# Altium PCB SEC_3002_DZ&HL - 副本.PcbDoc (part 1 of 2)
Units mm, origin at the board's own origin, x right, y up, seen from the top; angles counter-clockwise.
Board outline 200 x 170 mm, 2 copper layers (Top Layer, Bottom Layer); 589 components, 413 nets, 1696 pads, 0 vias.
Unrouted connection lines stored in the file: 1100.
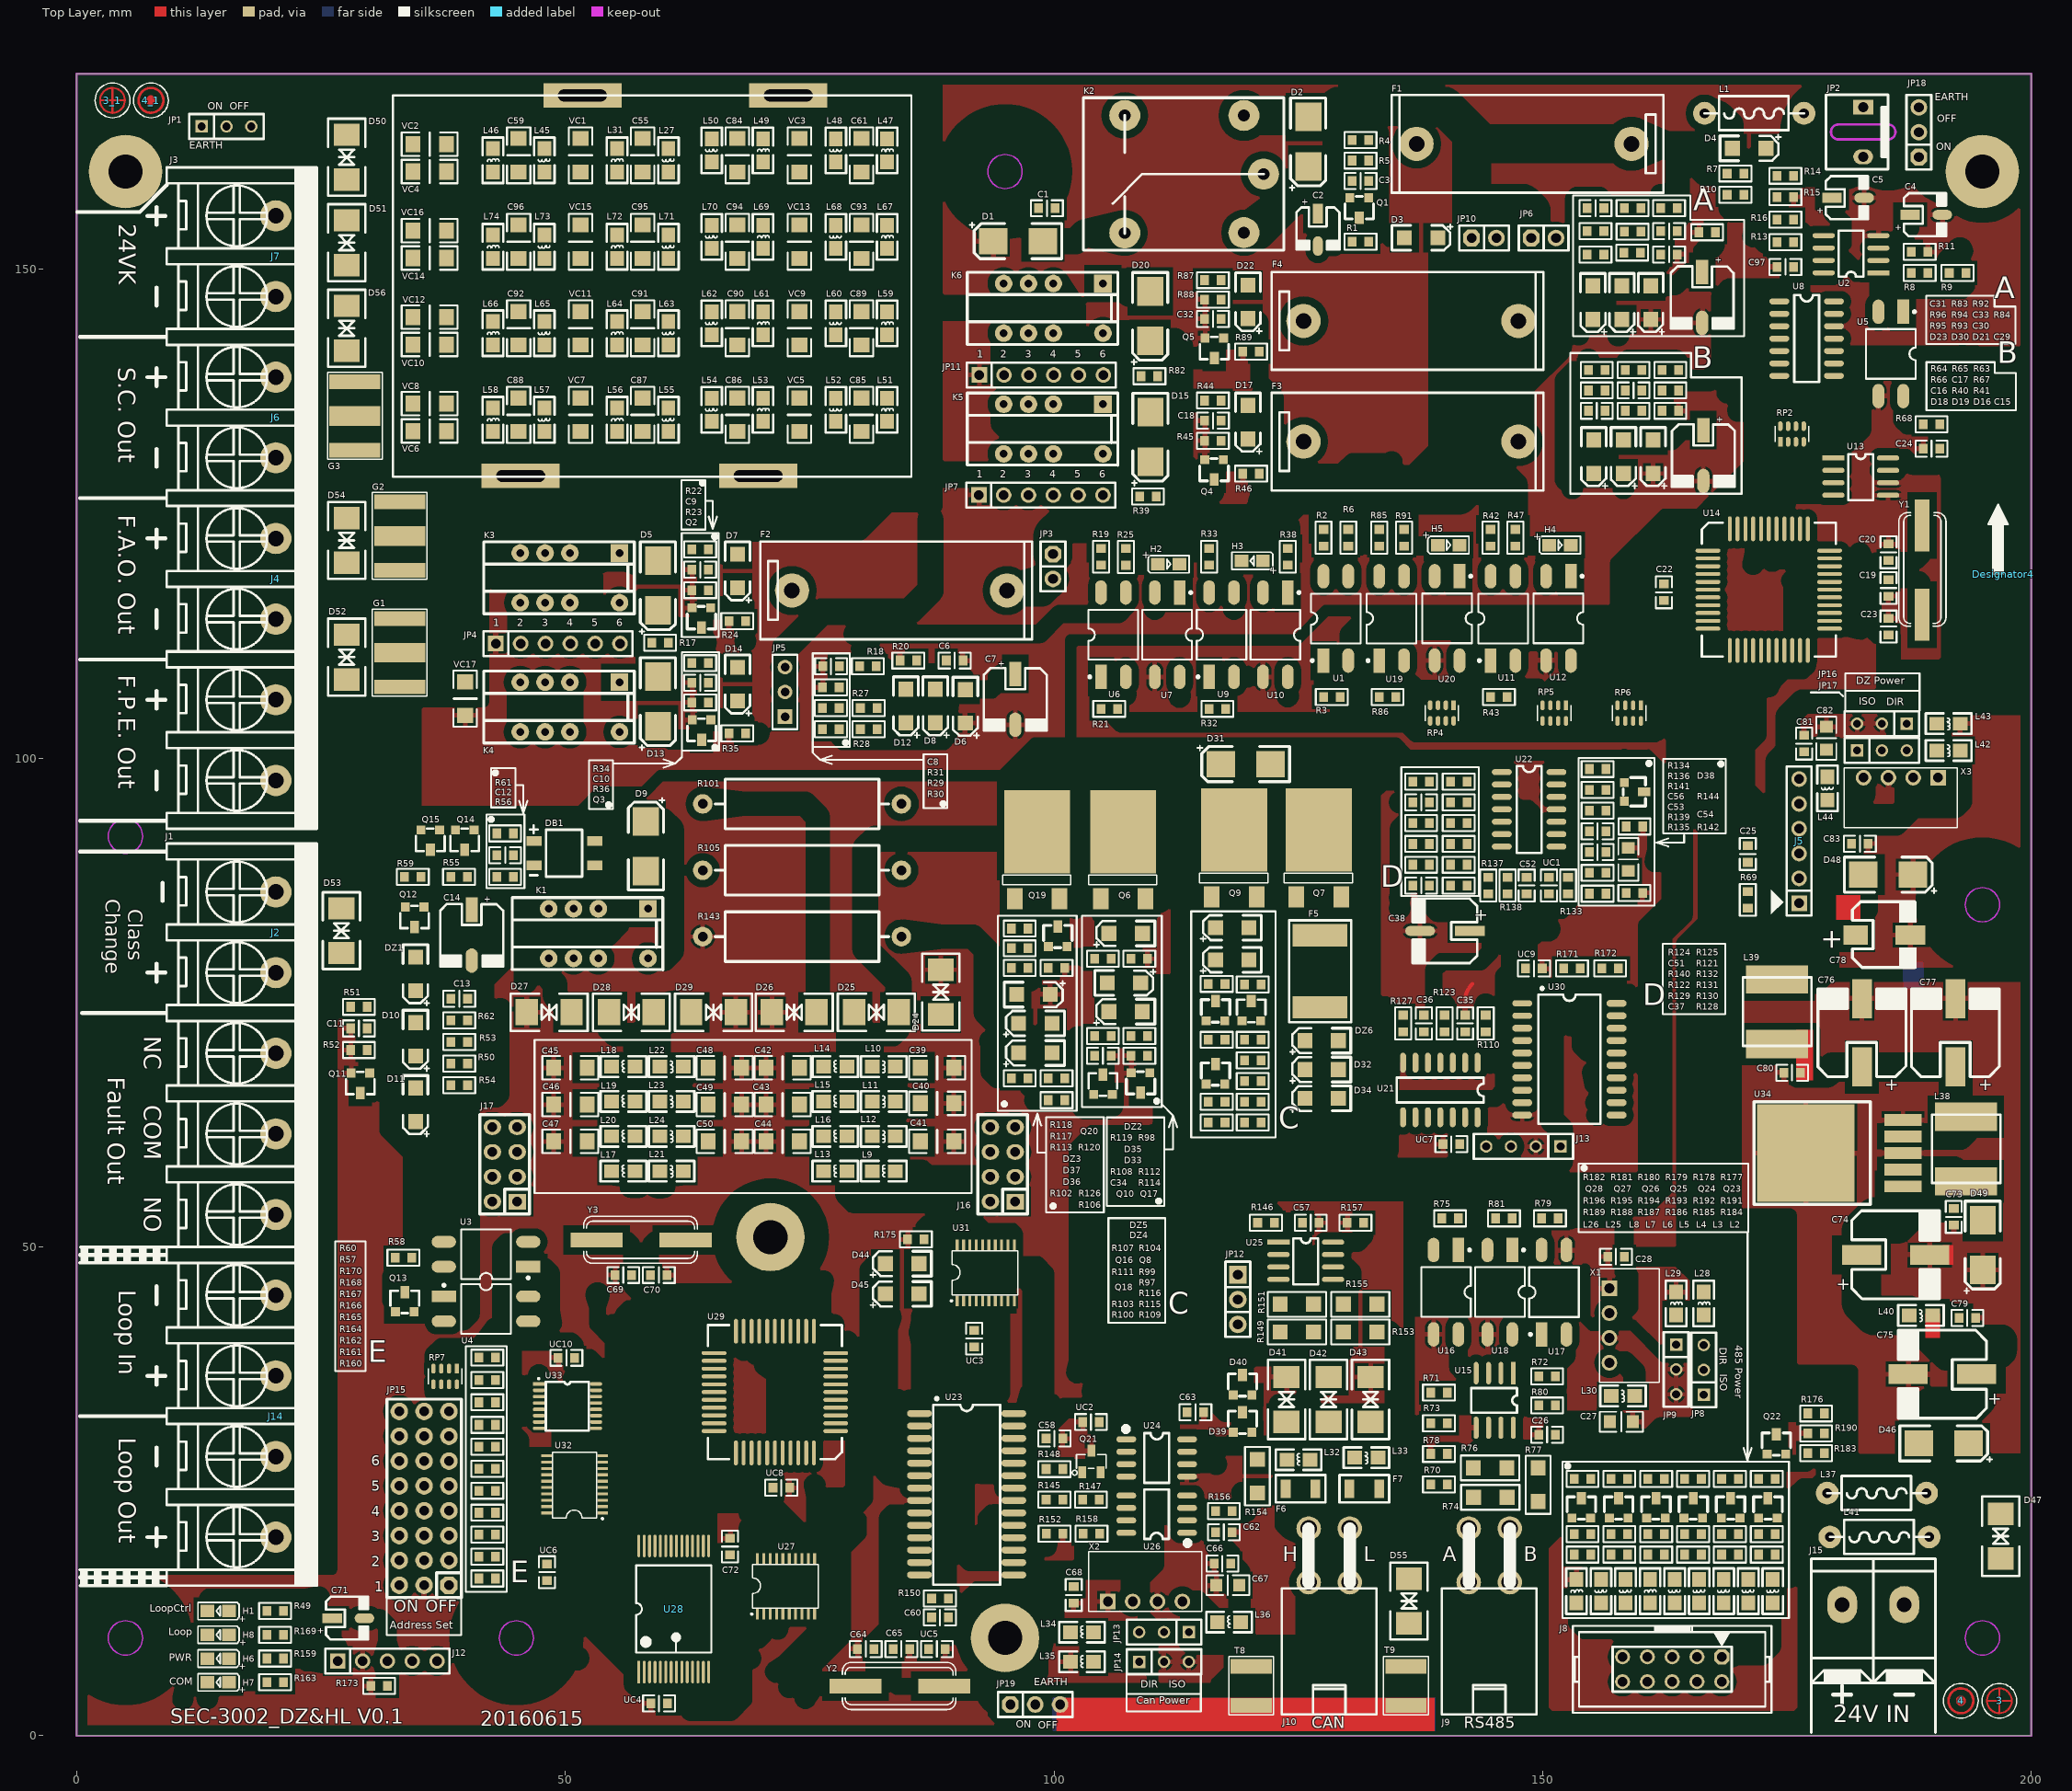
[diagram p0: Top Layer view]
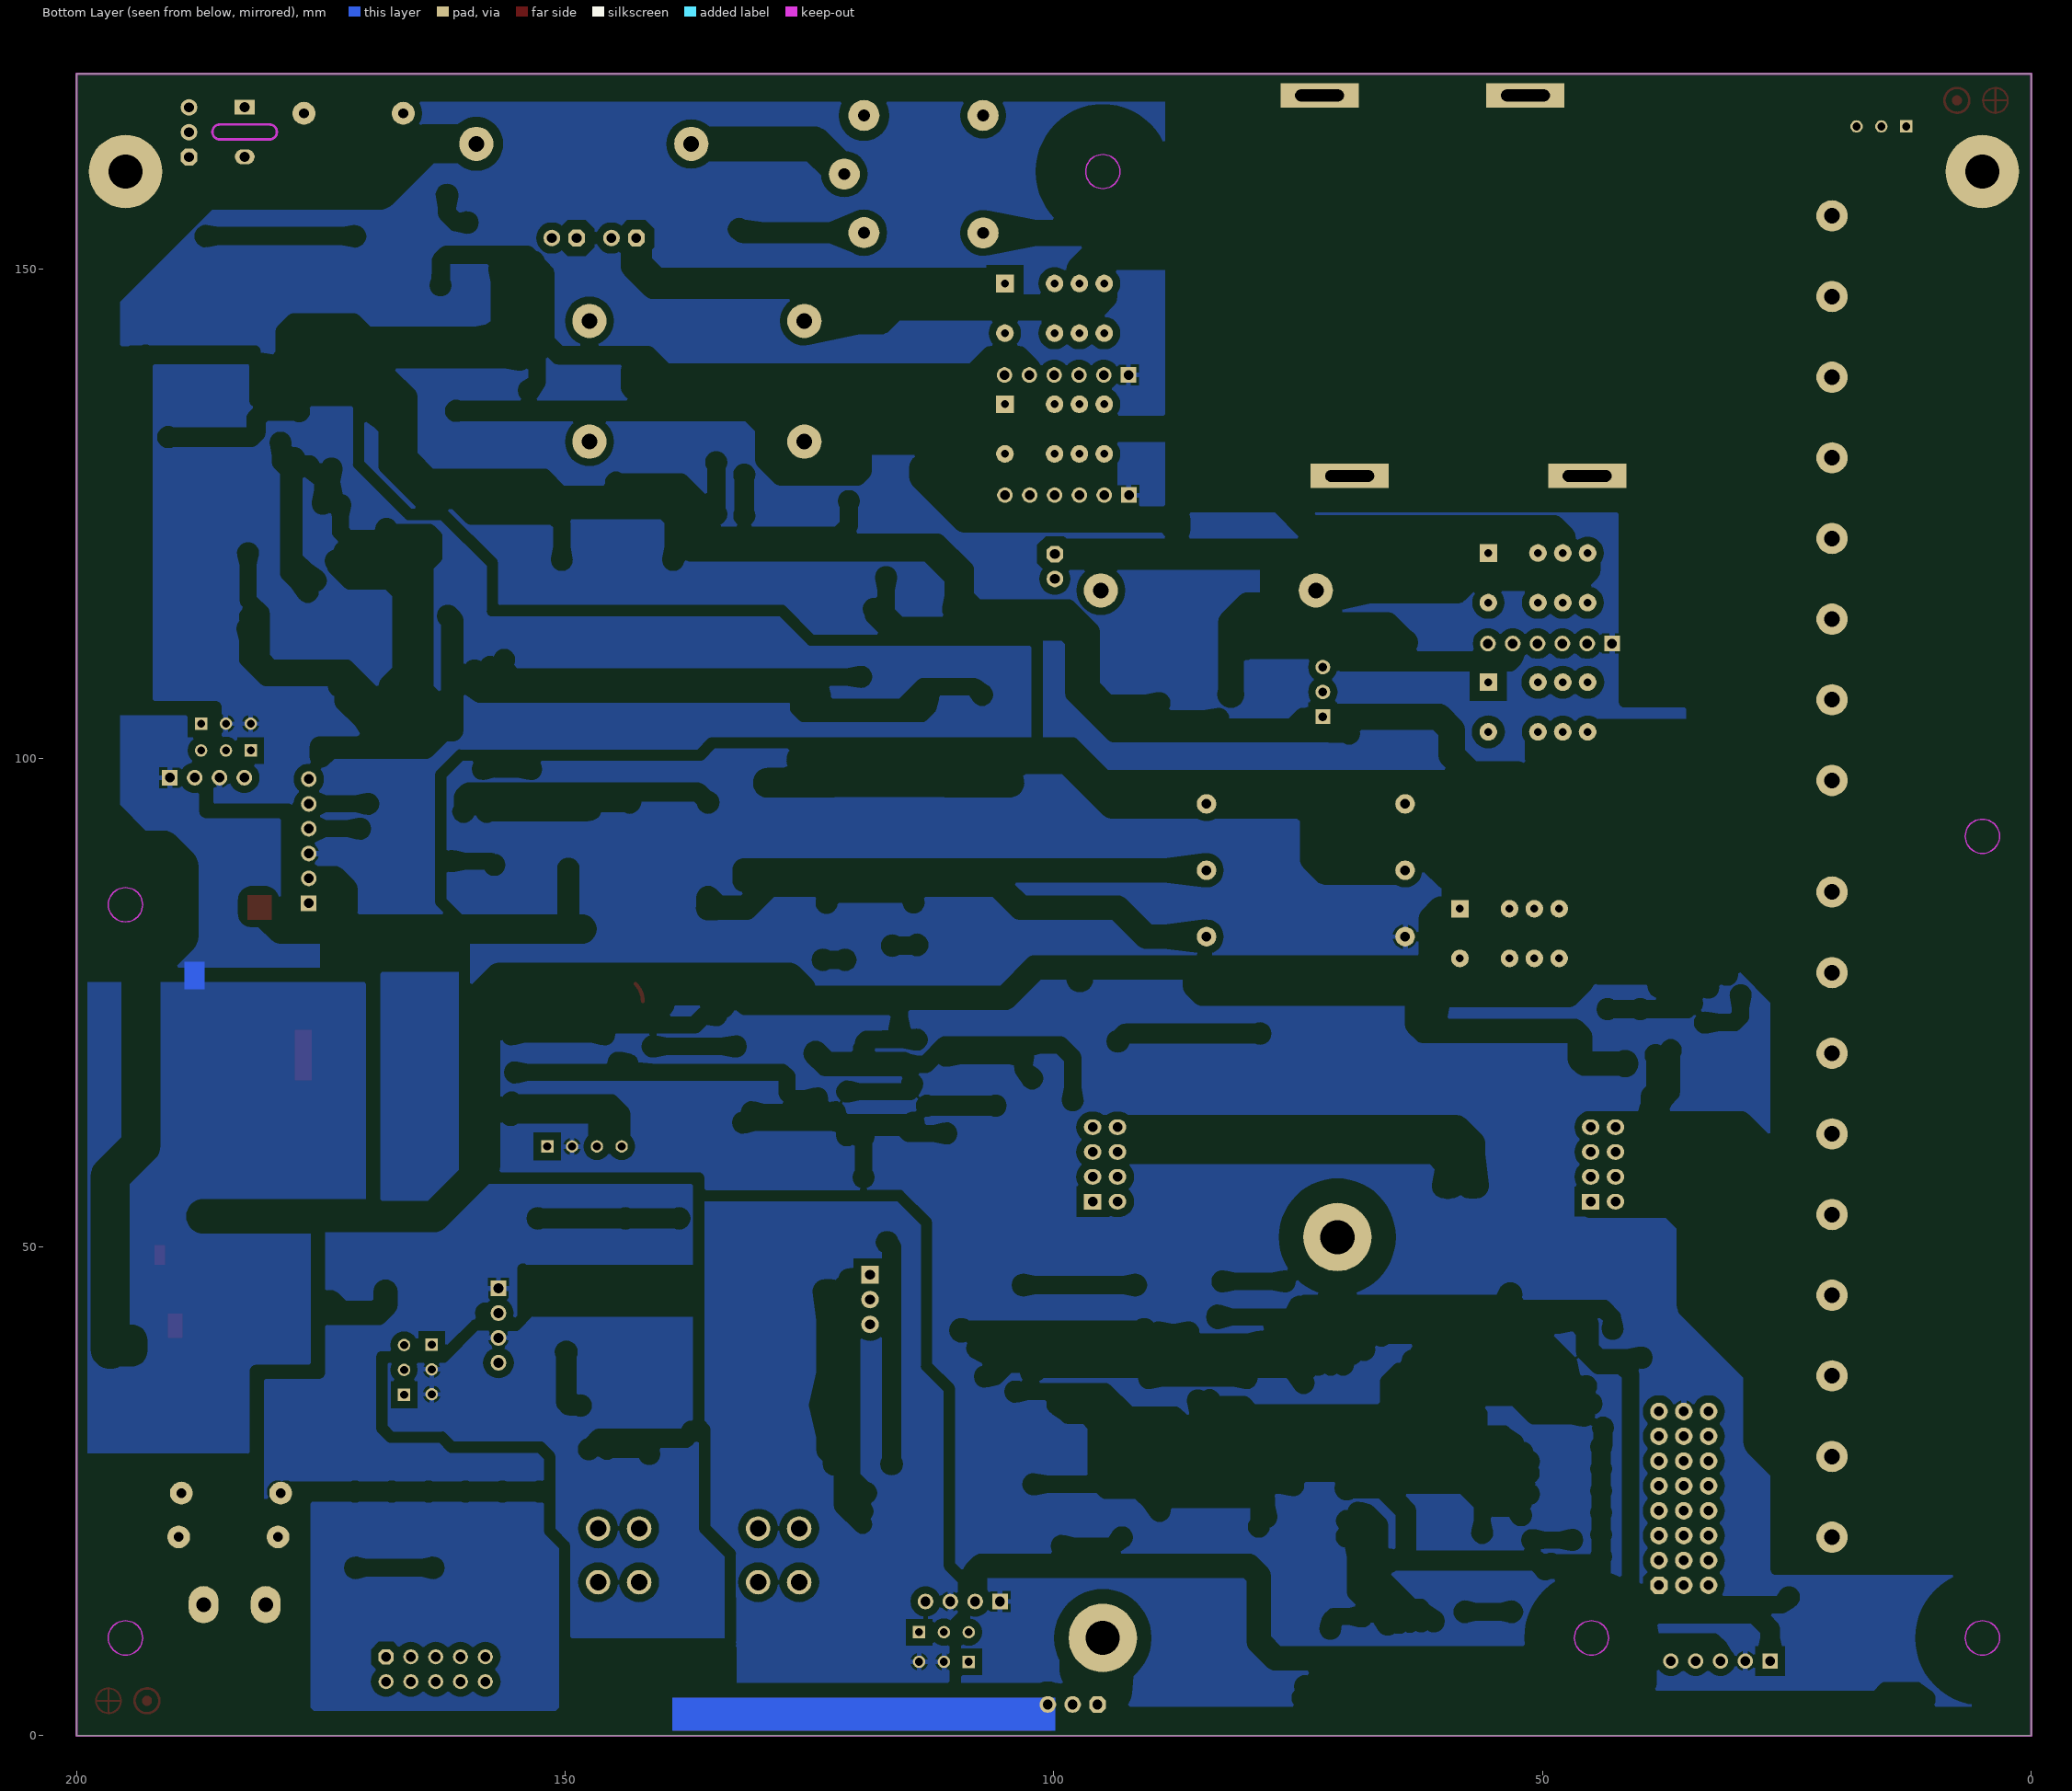
[diagram p1: Bottom Layer view, seen from below]

## Layer stack, top to bottom
Top Layer: signal copper 0.0356
Dielectric: core 0.32, FR-4, Dk 4.8
Bottom Layer: signal copper 0.0356

## Board outline
0,0 200,0 200,170 0,170

## Design rules (kind name [scope] priority, off if disabled: settings)
Clearance "EARTH to Keepout" [OnLayer('Keep-Out Layer') vs InNet('EATHER GND')] p1: gap=0.254
Clearance "Polygon to MSM110" [InPolygon vs HasFootprint('MSM110')] p2: gap=1.27
Clearance "24V to Polygon" [InNet('+24V')  or InNet('+24VOUT') vs InPolygon] p3: gap=1.016
Clearance "24V_IN to Polygon" [InNet('+24V_IN') vs InPolygon] p4: gap=1.016
Clearance "Polygon to EARTH_EXT" [InPolygon vs InNet('EARTH_EXT')] p5: gap=3.302
Clearance "Region to All" [(IsRegion AND InNet('GND'))] p6: gap=1.016
Clearance "Polygon to EARTH" [InPolygon vs InNet('EATHER GND') or InNet('EARTH_EXT') or InNet('EARTH_EXT1') or InNet('EARTH_EXT2')] p7: gap=1.5
Clearance "VCC to Arc And KeepOut" [(InPolygon AND OnLayer('Vcc And Signal Layer')) vs (IsArc AND OnLayer('Keep-Out Layer'))] p8: gap=1.27
Clearance "Polygon to Arc and KeepOut Layer" [InPolygon vs (IsArc AND OnLayer('Keep-Out Layer'))] p9: gap=5.08
Clearance "Polygon to Track and KeepOut Layer" [InPolygon vs (IsTrack AND OnLayer('Keep-Out Layer'))] p10: gap=1
Clearance "24V_IN to GND" [InNet('+24V_IN') vs InNet('GND')] p11: gap=0.508
Clearance "24V to GND" [InNet('+24V') vs InNet('GND')] p12: gap=0.508
Clearance "Polygon to All" [InPolygon] p13: gap=0.762
Clearance "U3 Pads" [IsPad  And    InComponent('U3') vs IsPad  And    InComponent('U3')] p14: gap=0.127
Clearance "JP1 to Via" [InComponent('JP1') vs IsVia] p15: gap=0.254
Clearance "Via to Via" [IsVia vs IsVia] p16: gap=0.254
Clearance "Component to Board Edge" [IsComponent vs (OnLayer('Keep-Out Layer'))] p17: gap=1
Clearance "Track to Board Edge" [IsTrack vs (OnLayer('Keep-Out Layer'))] p18: gap=1
Clearance "Via to Pad" [IsVia vs IsPad] p19: gap=0.381
Clearance "24V to All" [InNet('+24V')] p20: gap=0.381
Clearance [All] p21: gap=0.25
ComponentClearance [All] p1: gap=0 collisioncheckmode=3 verticalgap=0 showdistances=FALSE
FabricationTestpoint [(IsPad And (OnTopLayer Or OnBottomLayer))] p1: side=3 testpointundercomponent=TRUE minsize=1.016 maxsize=2.54 preferedsize=1.524 minholesize=0 maxholesize=1.016 preferedholesize=0.813 testpointgrid=0.025 allowsidetop=TRUE allowsidebottom=TRUE usegrid=TRUE gridtolerance=0
HoleSize [All] p1: absolutevalues=TRUE maxlimit=8 minlimit=0.305 maxpercent=80.000 minpercent=20.000
PlaneClearance [All] p1: clearance=0.762
PlaneConnect [All] p1: planeconnectstyle=Direct reliefexpansion=0.508 reliefentries=4 reliefconductorwidth=0.254 reliefairgap=0.254
PolygonConnect "Polygon  to Via" [IsVia] p1: connectstyle=Direct reliefconductorwidth=0.254 reliefentries=4 polygonreliefangle="90 Angle"
PolygonConnect [All] p2: connectstyle=Relief reliefconductorwidth=0.508 reliefentries=4 polygonreliefangle="90 Angle"
RoutingVias [All] p1: holewidth=0.406 width=0.762 viastyle="Through Hole" minholewidth=0.305 minwidth=0.457 maxholewidth=0.711 maxwidth=1.27
SilkscreenOverComponentPads SilkToSolderMaskClearance [IsPad] p1: minsilkscreentomaskgap=0.254
SolderMaskExpansion [All] p1: expansion=0.102
Width [All] p1: maxlimit=2.54 minlimit=0.203 preferedwidth=0.508 minimp=50.000000 maximp=50.000000 favimp=50.000000
22 further rules are at their usual default settings.

## Classes and differential pairs
component class SEC_3002_DZ_MCU: C19 C20 C22 C23 C24 C25 C26 C27 C28 D55 J3 J4 J5 J6 J7 J8 J9 JP8 JP9 L2 L3 L4 L5 L6 L7 L8 L25 L26 L28 L29 L30 Q22 Q23 Q24 Q25 Q26 Q27 Q28 R68 R69 R70 R71 R72 R73 R74 R75 R76 R77 R78 R79 R80 R81 R176 R177 R178 R179 R180 R181 R182 R183 R184 R185 R186 R187 R188 R189 R190 R191 R192 R193 R194 R195 R196 RP2 RP4 RP5 RP6 U13 U14 U15 U16 U17 U18 X1 Y1
component class SEC_3002_HL_LoopOpenCheck&Switch: C11 C12 C13 C14 C39 C40 C41 C42 C43 C44 C45 C46 C47 C48 C49 C50 D9 D10 D11 D24 D25 D26 D27 D28 D29 DB1 DZ1 H1 J14 J16 J17 JP1 JP18 JP19 K1 L9 L10 L11 L12 L13 L14 L15 L16 L17 L18 L19 L20 L21 L22 L23 L24 Q11 Q12 Q13 Q14 Q15 R49 R50 R51 R52 R53 R54 R55 R56 R57 R58 R59 R60 R61 R62 U3 U4 VC17
component class "SEC_3002_DZ_F.P.E Output": C6 C7 C8 C9 C85 C86 C87 C88 D5 D6 D7 D8 D12 D52 F2 G1 H2 JP3 JP4 K3 L51 L52 L53 L54 L55 L56 L57 L58 Q2 R17 R18 R19 R20 R21 R22 R23 R24 R25 R27 R28 R29 R30 R31 U6 U7 U8 VC5 VC6 VC7 VC8
component class "SEC_3002_DZ_24VK Output": C1 C2 C3 C55 C59 C61 C84 D1 D2 D3 D50 D51 F1 K2 L27 L31 L45 L46 L47 L48 L49 L50 Q1 R1 R2 R3 R4 R5 R6 U1 VC1 VC2 VC3 VC4
component class "SEC_3002_DZ_Eather Fault Check": C4 C5 C97 D4 JP2 L1 R7 R8 R9 R10 R11 R13 R14 R15 R16 U2 U5
component class "SEC_3002_DZ_Fault Output": C10 D13 D14 D53 H3 J1 J2 JP5 K4 Q3 R32 R33 R34 R35 R36 R38 U9 U10
component class "SEC_3002_DZ_Fire Alarm Output": C15 C16 C17 C18 C89 C90 C91 C92 D15 D16 D17 D18 D19 D54 F3 G2 H4 JP6 JP7 K5 L59 L60 L61 L62 L63 L64 L65 L66 Q4 R39 R40 R41 R42 R43 R44 R45 R46 R47 R63 R64 R65 R66 R67 U11 U12 VC9 VC10 VC11 VC12
component class SEC_3002_DZ_S.C.Output: C29 C30 C31 C32 C33 C93 C94 C95 C96 D20 D21 D22 D23 D30 D56 F4 G3 H5 JP10 JP11 K6 L67 L68 L69 L70 L71 L72 L73 L74 Q5 R82 R83 R84 R85 R86 R87 R88 R89 R91 R92 R93 R94 R95 R96 U19 U20 VC13 VC14 VC15 VC16
component class SEC_3002_HL_Loop1: C34 C35 C36 C37 C38 C51 C52 C53 C54 C56 D31 D32 D33 D34 D35 D36 D37 D38 DZ2 DZ3 DZ4 DZ5 DZ6 F5 Q6 Q7 Q8 Q9 Q10 Q16 Q17 Q18 Q19 Q20 R97 R98 R99 R100 R101 R102 R103 R104 R105 R106 R107 R108 R109 R110 R111 R112 R113 R114 R115 R116 R117 R118 R119 R120 R121 R122 R123 R124 R125 R126 R127 R128 R129 R130 R131 R132 R133 R134 R135 R136 R137 R138 R139 R140 R141 R142 R143 R144 U21 U22
component class SEC_3002_HL_MAIN: C57 C58 C60 C62 C63 C64 C65 C66 C67 C68 C69 C70 C71 C72 D39 D40 D41 D42 D43 D44 D45 F6 F7 H6 H7 H8 J10 J12 J13 JP12 JP13 JP14 JP15 L32 L33 L34 L35 L36 Q21 R145 R146 R147 R148 R149 R150 R151 R152 R153 R154 R155 R156 R157 R158 R159 R160 R161 R162 R163 R164 R165 R166 R167 R168 R169 R170 R171 R172 R173 R175 RP7 T8 T9 U23 U24 U25 U26 U27 U28 U29 U30 U31 U32 U33 X2 Y2 Y3
component class SEC_3002_HL_Power: C73 C74 C75 C76 C77 C78 C79 C80 C81 C82 C83 D46 D47 D48 D49 J15 JP16 JP17 L37 L38 L39 L40 L41 L42 L43 L44 U34 UC1 UC2 UC3 UC4 UC5 UC6 UC7 UC8 UC9 UC10 X3

## Components (designator, comment, footprint, x,y, rotation, side; value= is the part's Value field where it differs from the comment)
3 "Comment" 原点BP 196.735,3.57 r0 top
3_1 "Comment" 原点BP 3.671,167.282 r180 top
4 "Comment" MARK 192.798,3.57 r0 top
4_1 "Comment" MARK 7.608,167.282 r180 top
C1 "104" C-0603 100.136,156.244 r180 top
C2 "4.7uF/50V" CAP-SMD-4*5.7 127.007,151.886 r0 top
C3 "104" C-0603 132.222,159.038 r180 top
C4 "3.3uF/50V" CAP-SMD-4*5.7 191.397,155.578 r90 top
C5 "3.3uF/50V" CAP-SMD-4*5.7 183.41,157.313 r90 top
C6 "104" C-0603 88.991,109.983 r0 top
C7 "22uF/50V" CAP-SMD-6.3*5.7 96.046,108.615 r0 top
C8 "104" C-0603 78.038,109.385 r180 top
C9 "104" C-0603 64.657,119.266 r180 top
C10 "104" C-0603 64.657,107.704 r180 top
C11 "104" C-0603 29.739,72.346 r180 top
C12 "103" C-0603 44.703,90.068 r180 top
C13 "68P" C-0603 40.01,75.377 r180 top
C14 "47uF/25V" CAP-SMD-6.3*5.7 40.432,84.486 r0 top
C15 "22uF/50V" CAP-SMD-6.3*5.7 166.448,133.55 r0 top
C16 "104" C-0603 156.394,135.529 r180 top
C17 "104" C-0603 160.156,137.609 r180 top
C18 "104" C-0603 117.116,134.516 r180 top
C19 "27p" C-0603 185.392,118.247 r270 top
C20 "27p" C-0603 185.392,120.202 r90 top
C22 "104" C-0603 162.413,116.108 r90 top
C23 "104" C-0603 185.392,112.61 r90 top
C24 "104" C-0603 190.638,131.658 r180 top
C25 "104" C-0603 170.998,89.334 r90 top
C26 "104" C-0603 151.306,30.79 r180 top
C27 "10V-106-±10%-[0805]" C-0805 156.879,32.117 r0 top
C28 "104" C-0603 158.354,48.996 r180 top
C29 "22uF/50V" CAP-SMD-6.3*5.7 166.324,149.721 r0 top
C30 "104" C-0603 162.094,151.516 r0 top
C31 "104" C-0603 156.269,156.255 r180 top
C32 "104" C-0603 117.116,144.927 r180 top
C33 "104" C-0603 162.094,153.9 r0 top
C34 "103" C-0603 104.155,69.552 r0 top
C35 "102" C-0603 142.07,72.013 r90 top
C36 "102" C-0603 137.853,72.013 r90 top
C37 "104" C-0603 136.725,86.968 r0 top
C38 "100u/16V" CAP--SMD--6.6*5.3 142.547,82.323 r270 top
C39 "102/1KV" C-1206 89.761,68.316 r180 top
C40 "222/1KV" C-1206 89.761,64.681 r180 top
C41 "102/1KV" C-1206 89.761,60.785 r180 top
C42 "102/1KV" C-1206 73.964,68.316 r180 top
C43 "222/1KV" C-1206 73.964,64.55 r180 top
C44 "102/1KV" C-1206 73.964,60.785 r180 top
C45 "102/1KV" C-1206 48.81,68.316 r0 top
C46 "222/1KV" C-1206 48.81,64.55 r0 top
C47 "102/1KV" C-1206 48.81,60.785 r0 top
C48 "102/1KV" C-1206 64.606,68.316 r0 top
C49 "222/1KV" C-1206 64.606,64.55 r0 top
C50 "102/1KV" C-1206 64.606,60.785 r0 top
C51 "333" C-0603 138.425,95.466 r180 top
C52 "102" C-0603 148.364,87.817 r270 top
C53 "27p" C-0603 156.473,90.382 r180 top
C54 "10u/10V" C-0805 158.774,88.458 r90 top
C55 "222/1KV" C-1206 57.925,159.946 r90 top
C56 "102" C-0603 156.473,92.507 r180 top
C57 "104" C-0603 125.424,52.465 r0 top
C58 "104" C-0603 100.898,30.396 r180 top
C59 "222/1KV" C-1206 45.23,159.946 r90 top
C60 "101" C-0603 87.485,12.095 r0 top
C61 "222/1KV" C-1206 80.305,163.375 r270 top
C62 "104" C-0603 118.234,20.817 r180 top
C63 "104" C-0603 113.635,33.082 r0 top
C64 "27p" C-0603 79.898,8.862 r0 top
C65 "27p" C-0603 85.239,8.862 r180 top
C66 "104" C-0603 118.087,17.593 r180 top
C67 "10V-106-±10%-[0805]" C-0805 118.972,15.389 r180 top
C68 "104" C-0603 102.025,15.246 r270 top
C69 "27p" C-0603 56.791,47.12 r180 top
C70 "27p" C-0603 58.722,47.12 r0 top
C71 "22u/16V" CAP-SMD-4*5.7 29.954,12.014 r90 top
C72 "104" C-0603 66.86,18.492 r90 top
C73 "104" C-0603 192.071,53.922 r270 top
C74 "100u/50V" CAP-SMD-8*8*10 190.119,44.182 r90 top
C75 "100u/50V" CAP-SMD-8*8*10 186.904,41.983 r270 top
C76 "470u/16V" CAP-SMD-8*8*10 187.682,75.903 r180 top
C77 "470u/16V" CAP-SMD-8*8*10 197.245,75.903 r180 top
C78 "100u/16V" CAP-SMD-6.3 182.034,81.891 r0 top
C79 "104" C-0603 192.606,42.735 r0 top
C80 "104" C-0603 176.381,67.82 r180 top
C81 "104" C-0603 176.754,100.631 r90 top
C82 "10V-106-±10%-[0805]" C-0805 179.039,100.857 r90 top
C83 "104" C-0603 181.617,91.237 r0 top
C84 "222/1KV" C-1206 67.611,163.375 r270 top
C85 "222/1KV" C-1206 80.305,136.834 r270 top
C86 "222/1KV" C-1206 67.611,136.834 r270 top
C87 "222/1KV" C-1206 57.925,133.405 r90 top
C88 "222/1KV" C-1206 45.23,133.405 r90 top
C89 "222/1KV" C-1206 80.305,145.681 r270 top
C90 "222/1KV" C-1206 67.611,145.681 r270 top
C91 "222/1KV" C-1206 57.925,142.252 r90 top
C92 "222/1KV" C-1206 45.23,142.252 r90 top
C93 "222/1KV" C-1206 80.305,154.528 r270 top
C94 "222/1KV" C-1206 67.611,154.528 r270 top
C95 "222/1KV" C-1206 57.925,151.099 r90 top
C96 "222/1KV" C-1206 45.23,151.099 r90 top
C97 "104" C-0603 175.689,150.25 r180 top
D1 "1N4007" 4526D 93.793,152.866 r0 top
D2 "1N4007" 4526D 126.026,160.497 r90 top
D3 "1N4148" 1206D 139.273,153.216 r180 top
D4 "1N4148" 1206D 172.847,162.38 r180 top
D5 "1N4007" 4526D 59.494,115.105 r90 top
D6 "1N4148" 1206D 90.938,103.577 r90 top
D7 "IN4148" 1206D 67.632,117.424 r90 top
D8 "1N4148" 1206D 87.873,103.61 r90 top
D9 "1N4007" 4526D 58.235,93.531 r270 top
D10 "4148" 1206D 34.682,69.51 r90 top
D11 "4148" 1206D 34.682,62.82 r90 top
D12 "1N4148" 1206D 84.851,103.61 r90 top
D13 "1N4007" 4526D 59.494,103.24 r90 top
D14 "1N4148" 1206D 67.632,105.842 r90 top
D15 "1N4007" 4526D 109.882,130.295 r90 top
D16 "1N4148" 1206D 161.303,129.109 r90 top
D17 "1N4148" 1206D 119.861,132.644 r90 top
D18 "1N4148" 1206D 155.245,129.109 r90 top
D19 "1N4148" 1206D 158.274,129.109 r90 top
D20 "1N4007" 4526D 109.856,142.665 r90 top
D21 "1N4148" 1206D 161.059,144.873 r90 top
D22 "1N4148" 1206D 119.857,144.961 r90 top
D23 "1N4148" 1206D 155.151,144.873 r90 top
D24 "SMBJ33CA" TVS-A 88.424,73.774 r90 top
D25 "SMBJ33CA" TVS-A 79.546,74.005 r0 top
D26 "SMBJ33CA" TVS-A 71.14,74.005 r0 top
D27 "SMBJ33CA" TVS-A 50.642,74.005 r180 top
D28 "SMBJ33CA" TVS-A 59.048,74.005 r180 top
D29 "SMBJ33CA" TVS-A 67.453,74.005 r180 top
D30 "1N4148" 1206D 158.105,144.873 r90 top
D31 "IN4007" 4526D 117.099,99.383 r0 top
D32 "4148" 1206D 125.679,68.14 r0 top
D33 "4148" 1206D 105.618,74.071 r0 top
D34 "4148" 1206D 125.679,65.186 r0 top
D35 "4148" 1206D 108.876,76.996 r180 top
D36 "4148" 1206D 96.38,69.841 r0 top
D37 "4148" 1206D 96.38,72.87 r0 top
D38 "BAV99" SOT-23 159.383,96.551 r270 top
D39 "BAV99" SOT-23 119.292,32.049 r0 top
D40 "BAV99" SOT-23 119.292,35.875 r0 top
D41 "SMBJ6.8CA" TVS-A 123.799,36.682 r270 top
D42 "SMBJ6.8CA" TVS-A 128.096,32.11 r90 top
D43 "SMBJ6.8CA" TVS-A 132.394,32.11 r90 top
D44 "4148" 1206D 82.754,48.285 r0 top
D45 "4148" 1206D 82.754,45.188 r0 top
D46 "1N4007" 4526D 193.571,29.908 r180 top
D47 "SMBJ33CA" TVS-A 196.873,18.114 r90 top
D48 "1N4007" 4526D 187.903,88.085 r180 top
D49 "1N5819" 4526D 195.043,47.66 r90 top
D50 "SMBJ33CA" TVS-A 27.631,159.189 r90 top
D51 "SMBJ33CA" TVS-A 27.631,150.439 r90 top
D52 "SMBJ33CA" TVS-A 27.631,112.619 r270 top
D53 "SMBJ33CA" TVS-A 27.094,80.059 r90 top
D54 "SMBJ33CA" TVS-A 27.631,124.554 r270 top
D55 "SMBJ33CA" TVS-A 136.328,11.489 r90 top
D56 "SMBJ33CA" TVS-A 27.631,146.258 r270 top
DB1 "MB2S" MB2S 53,89.023 r180 top
Designator4 "Comment" 进板方向 197.121,118.815 r90 top
DZ1 "6.8V" 1206D 34.682,76.2 r90 top
DZ2 "5.1V" 1206D 105.63,82.066 r0 top (schematic designator Z18)
DZ3 "9.1V" 1206D 99.619,75.816 r180 top (schematic designator Z21)
DZ4 "12V" 1206D 116.532,79.364 r0 top (schematic designator Z17)
DZ5 "12V" 1206D 116.532,82.652 r0 top (schematic designator Z19)
DZ6 "18V/1W" 1206D 125.679,71.094 r0 top (schematic designator Z20)
F1 "2A/250V" FUSE 137.102,162.833 r180 top
F2 "2A/250V" FUSE 95.203,117.148 r0 top
F3 "2A/250V" FUSE 147.531,132.368 r0 top
F4 "2A/250V" FUSE 147.531,144.717 r0 top
F5 "SM100" SM100 127.228,81.88 r270 top (schematic designator F1)